# Altium PCB DM2097_R0M0E0.PcbDoc (part 4 of 7) (continued)
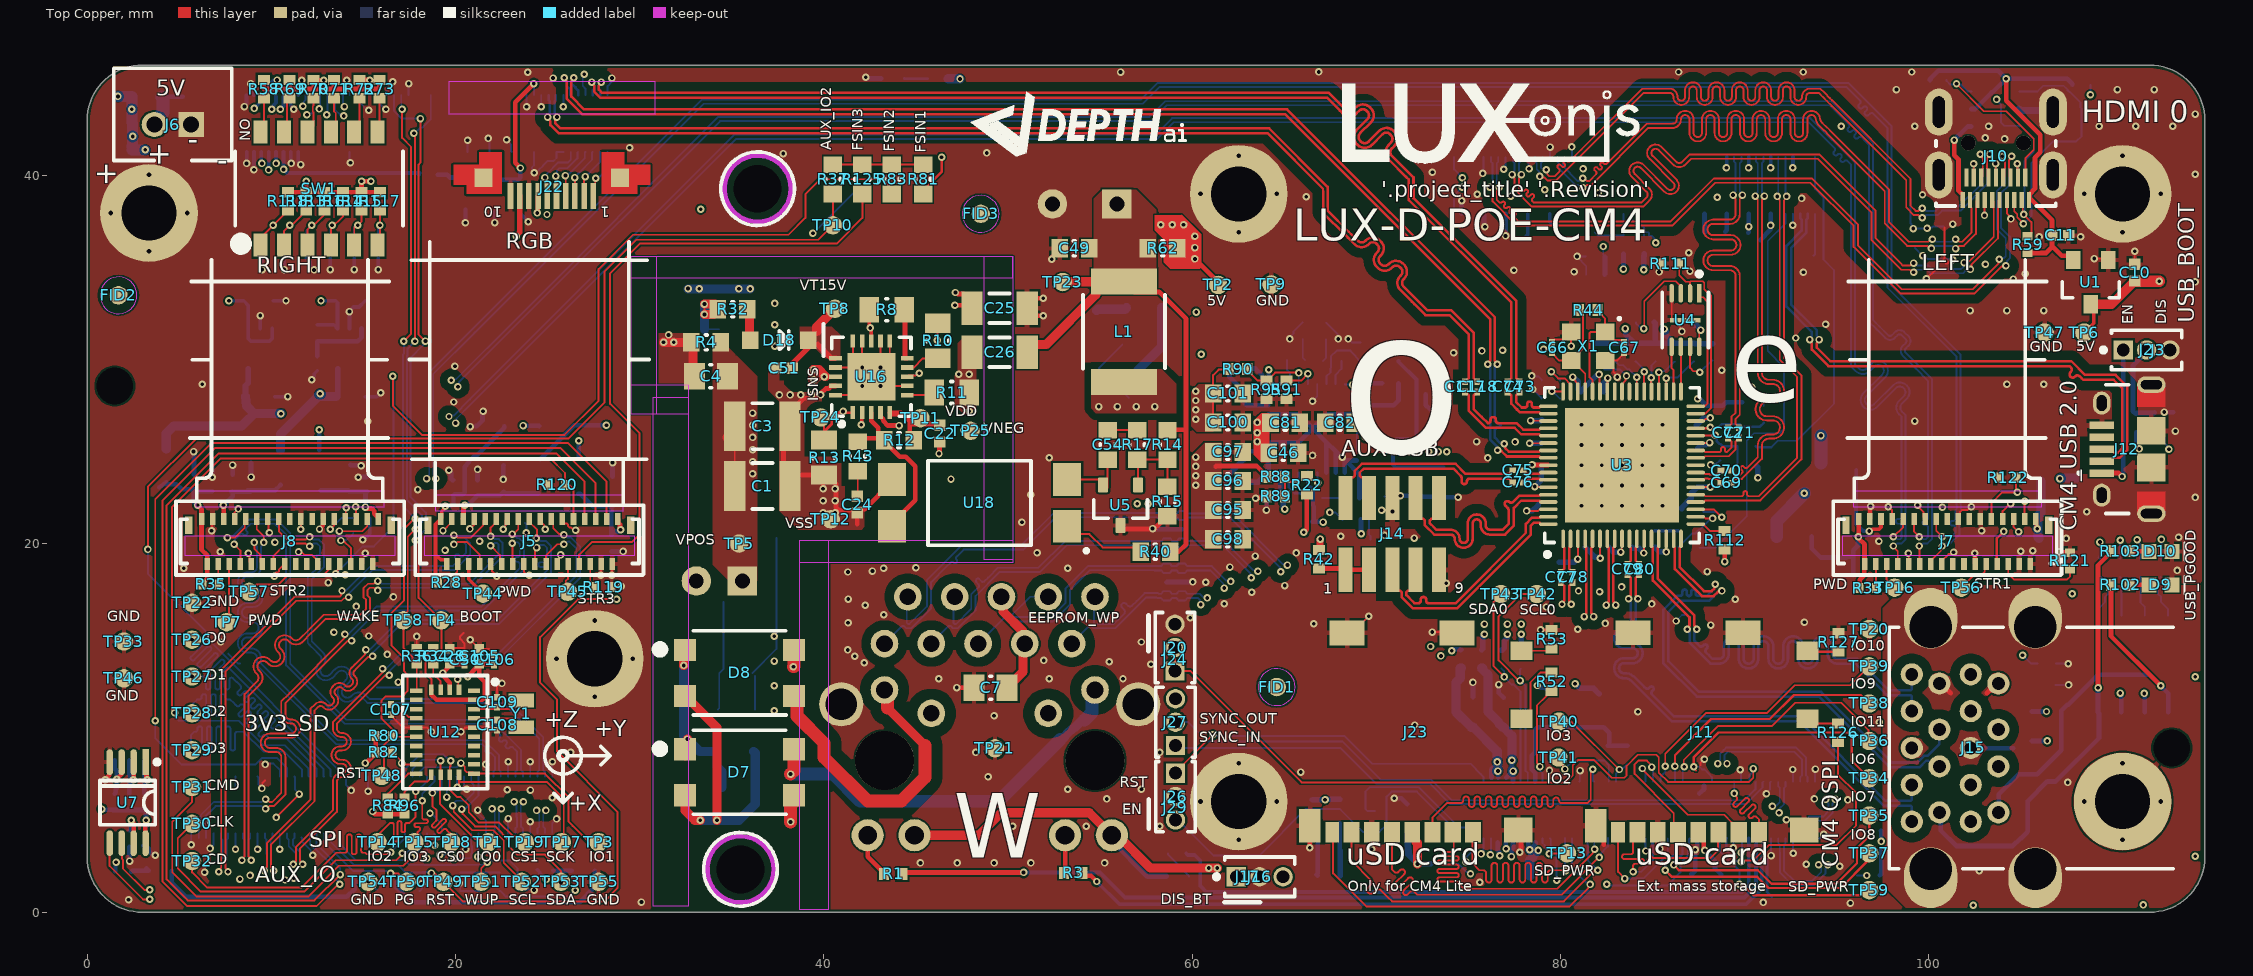
[diagram p0: Top Copper view]
## Nets (pads, with @x,y where several pads share a name; then routed paths per layer and width w, separated by ;. In a path a pad name is that pad's centre, name@x,y a point inside that pad or via, vN(x,y) a via of type N, cw(c..) or ccw(c..) an arc to the next point about the centre after c; other vN are vias at no path point) (continued)
  other v2: 81.151,22.076 82.251,22.076 83.351,22.076 84.451,22.076 85.551,22.076 81.151,23.176 82.251,23.176 83.351,23.176 84.451,23.176 85.551,23.176 81.151,24.276 82.251,24.276 83.351,24.276 84.451,24.276 85.551,24.276 81.151,25.376 82.251,25.376 83.351,25.376 84.451,25.376 85.551,25.376 81.151,26.476 82.251,26.476 83.351,26.476 84.451,26.476 85.551,26.476
  other v3: 62.531,3.933 110.531,3.933 60.456,6.008 64.606,6.008 108.456,6.008 112.606,6.008 62.531,8.083 110.531,8.083 27.56,11.695 25.485,13.77 29.635,13.77 27.56,15.845 3.36,35.895 62.531,36.933 110.531,36.933 1.285,37.97 5.435,37.97 60.456,39.008 64.606,39.008 108.456,39.008 112.606,39.008 3.36,40.045 62.531,41.083 110.531,41.083
GPIO0-27_VREF: C6.2 J9.78 R7.1 R9.1 R54.2 R55.2 | length 9
  Bottom Copper w0.254: J9.78@78.631,7.089 78.631,7.56 78.462,7.729 78.462,8.515 78.631,8.684 78.631,9.897 78.772,10.038 79.775,10.038 80.797,10.038 82.362,10.038 82.65,9.75 82.65,9.106 R54.2@82.58,9.035 R55.2@83.642,9.035
GPIO0/MPGOOD: J9.36
GPIO1/MRST: J9.35 R18.1 | length 67.8
  Signal Layer 1 w0.102: v1(26.5,1.2) 33.669,1.2 34.619,0.251 36.341,0.251 36.866,0.775 81.89,0.775 82.421,1.306 82.421,1.336 82.514,1.43 v1(82.514,1.512)
  Bottom Copper w0.102: R18.1@22.4,1.15 22.45,1.15 22.674,0.926 22.674,0.907 22.734,0.848 26.148,0.848 v1(26.5,1.2) ; v1(82.514,1.512) 82.572,1.454 82.722,1.454 82.726,1.45 85.8,1.45 86.517,2.166 86.517,2.67 86.942,3.095 86.942,3.548 86.985,3.592 86.985,3.963 J9.35@87.031,4.009
GPIO2/SDA1: J9.58 R54.1 TP41.1 | length 4.4
  Top Copper w0.102: TP41.1@79.9,8.125 TP41.1@79.902,8.123 ; TP41.1@79.9,8.4 79.9,8.207 80.25,7.857 v1(80.25,7.775)
  Bottom Copper w0.102: v1(80.25,7.775) 80.25,7.8 80.689,8.239 82.376,8.239 82.631,7.984 J9.58@82.631,7.089
GPIO3/SCL1: J9.56 R55.1 TP40.1 | length 5.7
  Top Copper w0.102: TP40.1@79.925,10.35 80.6,10.35 83.2,7.75 v1(83.209,7.75)
  Bottom Copper w0.102: J9.56@83.031,7.089 83.031,7.55 83.157,7.676 83.217,7.676 v1@83.25,7.709 ; v1(83.209,7.75) v1@83.25,7.709 ; R55.1@83.642,8.034 83.418,7.81 83.351,7.81 v1@83.25,7.709
GPIO4/GPIO_GCLK/CAM1_IO1: J9.54
GPIO5/CAM1_IO0: J9.34
GPIO6: J9.30 TP34.1 | length 14.1
  Top Copper w0.102: v1(87.25,7.9) 87.25,7.818 87.365,7.702
  Top Copper w0.127: v1(87.25,7.9) 87.25,8.425 88.581,9.756 95.602,9.756 95.825,9.533 95.825,8.225 TP34.1@96.775,7.275
  Bottom Copper w0.102: v1(87.25,7.9) 87.55,7.9 87.7,7.75 87.835,7.75 88.083,7.502 88.083,7.486 88.231,7.339 J9.30@88.231,7.089
GPIO7/SPI_CE1_N: J9.37 TP35.1 | length 15.3
  Top Copper w0.127: v1(86.155,2.566) 86.437,2.284 90.724,2.284 91.464,1.544 94.994,1.544 96.11,2.66 96.11,3.475 96.775,4.141 TP35.1@96.775,5.25
  Bottom Copper w0.127: v1(86.155,2.566) 86.155,2.642 86.244,2.731 86.244,2.78 86.631,3.166 J9.37@86.631,4.009
GPIO8/SPI0_CS_1: J1.60 TP19.1 U12.18 | length 10.4
  Top Copper w0.102: v1(19.75,8.226) 19.738,8.214 19.738,7.938 19.695,7.895 U12.18@19.695,7.466 19.695,6.655 20.101,6.249 20.225,6.249 ; 20.225,6.25 20.275,6.25 20.276,6.249 20.725,5.8 20.725,5.425 20.875,5.275 20.875,5.272 21.278,4.87 22.379,4.87 23.108,4.141 23.277,4.141 23.493,3.925 TP19.1@23.775,3.925
  Bottom Copper w0.102: J1.60@17.26,7.368 17.26,7.76 18.081,8.581 18.952,8.581 19.342,8.582 19.698,8.226 v1(19.75,8.226)
GPIO8/SPI_CE0_N: J9.39 TP37.1 | length 14.4
  Top Copper w0.127: v1(85.7,2.275) 86.056,1.919 90.696,1.919 91.301,1.314 95.224,1.314 96.712,2.802 96.712,3.136 TP37.1@96.775,3.2
  Bottom Copper w0.127: v1(85.7,2.275) 85.7,2.636 86.231,3.167 J9.39@86.231,4.009
GPIO9/SPI_MISO: J9.40 TP38.1 | length 13.5
  Top Copper w0.127: v1(86.225,7.925) 86.225,8.525 88.189,10.489 91.376,10.489 92.687,11.8 96.311,11.8 TP38.1@96.775,11.336
  Bottom Copper w0.102: v1(86.225,7.925) 86.225,7.095 J9.40@86.231,7.089
GPIO10/SPI_MOSI: J9.44 TP39.1 | length 14.7
  Top Copper w0.102: v1@85.656,7.925 v1(85.7,7.925) 85.7,8.6 87.925,10.825 91.239,10.825 92.739,12.325 95.75,12.325 TP39.1@96.775,13.35
  Bottom Copper w0.102: J9.44@85.431,7.089 85.431,7.339 85.579,7.486 85.579,7.502 85.7,7.623 v1(85.7,7.925)
GPIO11/SPI_SCLK: J9.38 TP36.1 | length 13.8
  Top Copper w0.102: v1(86.732,7.9) 86.703,7.929 86.703,8.265 88.545,10.107 91.482,10.107 92.75,11.375 95.25,11.375 96.734,9.891 96.734,9.34 TP36.1@96.775,9.298
  Bottom Copper w0.102: J9.38@86.631,7.089 86.646,7.104 86.646,7.739 86.732,7.825 v1(86.732,7.9)
GPIO12/AUD_R: J9.31
GPIO13/AUD_L: J9.28
GPIO14/TXD0: J9.55
GPIO15/RXD0: J9.51
GPIO16: J9.29
GPIO17/GPI0_GEN0: J9.50
GPIO18/GPI0_GEN1: J9.49
GPIO19: J9.26
GPIO58: J21.28 R76.1 R118.2 SW1.1 | length 17.2
  Top Copper w0.102: SW1.1@9.425,36.225 9.425,36.625 R118.2@10.9,38.1
  Signal Layer 1 w0.102: v1(10.1,37.3) 10.7,36.7 14.8,36.7 15.1,37 15.1,37.7 13.5,39.3 13.5,43.306 13.941,43.747 v1(13.973,43.747)
  Bottom Copper w0.102: R76.1@9.5,36.5 9.5,36.7 v1(10.1,37.3) ; J21.28@13.86,44.368 13.899,44.329 13.899,43.903 13.973,43.83 v1(13.973,43.747)
H5V: C11.2 J10.19 Q3.1 R59.2 R60.2 U1.2 U2.5 | length 24.5
  Top Copper w0.254: v1(104.206,45.265) 104.216,45.256 104.216,44.076 106.067,42.224 106.067,41.265 105.772,40.97 105.772,39.282 105.481,38.99 105.481,38.784 106.7,37.565 C11.2@106.7,36.75 106.7,36.125 106.375,35.8 R59.2@105.375,35.8 ; 106.7,36.175 107.225,35.65 107.624,35.65 U1.2@107.857,35.418
  Bottom Copper w0.254: R60.2@100.103,45.223 R60.2@100.07,45.19 100.07,45.24 100.524,45.694 103.778,45.694 v1(104.206,45.265) 103.455,44.514 103.415,44.514 102.519,43.617 U2.5@102.319,43.617 ; v1@104.211,45.26 107.535,45.26 107.805,44.99 Q3.1@107.805,44.935
HDMI_CEC: J13.51 Q3.2 R26.1 | length 31.1
  Signal Layer 1 w0.102: v1(85.185,36.36) 94.71,36.36 98.789,40.439 98.789,40.769 99.981,41.961 100.925,41.961 102.501,43.536 103.587,43.536 105.107,45.056 108.119,45.056 v1(108.788,44.387)
  Bottom Copper w0.102: J13.51@83.831,37.928 83.88,37.879 J13.51@83.88,37.613 ; J13.51@83.888,37.621 83.979,37.531 83.979,37.515 84.148,37.346 84.381,37.346 84.55,37.177 R26.1@84.55,36.75 ; 84.55,37.151 84.583,37.117 84.583,36.974 84.632,36.925 84.775,36.925 84.824,36.876 84.824,36.733 84.968,36.733 85.126,36.574 85.126,36.418 v1(85.185,36.36) ; v1(108.788,44.387) 108.788,44.918 Q3.2@108.805,44.935
HDMI_CLK_N: J10.14 J13.90 | length 43.5
  Top Copper w0.102: v1(76.177,39.374) 76.177,39.302 76.317,39.162 76.317,38.598 77.633,37.282 86.089,37.282 88.422,39.616 93.579,39.616 95.929,37.266 95.929,36.13 98.455,33.605 102.497,33.605 103.424,34.531 103.949,35.055 104.146,35.055 v1(104.197,35.106) ; J10.14@104.451,39.899 104.386,39.964 104.386,40.386 104.365,40.408 104.365,40.846 104.505,40.986 v1(104.505,41.058)
  Bottom Copper w0.102: v1(76.177,39.374) 76.177,39.446 76.317,39.586 76.317,40.672 76.231,40.758 J13.90@76.231,41.008 ; v1(104.197,35.106) 104.248,35.157 104.248,35.355 104.415,35.522 104.415,35.794 104.412,35.797 104.412,36.688 103.923,37.176 103.923,39.044 104.365,39.486 104.365,40.846 104.505,40.986 v1(104.505,41.058)
HDMI_CLK_P: J10.12 J13.88 | length 43.5
  Top Copper w0.102: v1(76.685,39.374) 76.685,39.302 76.545,39.162 76.545,38.692 76.581,38.656 76.682,38.555 ccw(c76.754,38.627) 76.826,38.555 ; 76.826,38.555 cw(c76.898,38.483) 76.97,38.555 cw(c76.898,38.483) 76.97,38.411 76.966,38.407 ccw(c77.039,38.335) 76.966,38.263 ccw(c77.039,38.335) 77.111,38.263 77.114,38.266 cw(c77.186,38.194) 77.258,38.266 cw(c77.186,38.194) 77.258,38.122 77.255,38.119 ccw(c77.327,38.046) 77.255,37.974 ccw(c77.327,38.046) 77.399,37.974 77.416,37.991 cw(c77.488,37.919) 77.56,37.991 cw(c77.488,37.919) 77.56,37.847 77.547,37.834 ccw(c77.619,37.762) 77.547,37.69 77.692,37.545 77.728,37.509 85.994,37.509 88.328,39.843 93.673,39.843 93.74,39.776 94.778,38.739 96.157,37.36 96.157,36.224 98.549,33.832 102.403,33.832 103.263,34.692 ; 103.263,34.693 103.787,35.217 103.787,35.414 v1(103.838,35.465) ; v1(103.997,41.058) 103.997,40.986 104.137,40.846 104.137,40.408 104.116,40.386 104.116,39.964 J10.12@104.051,39.899
  Bottom Copper w0.102: J13.88@76.631,41.008 76.631,40.758 76.546,40.672 76.546,39.586 76.685,39.446 v1(76.685,39.374) ; v1(103.838,35.465) 103.889,35.516 104.087,35.516 104.188,35.616 104.188,35.7 104.184,35.703 104.184,36.594 103.696,37.082 103.696,39.138 104.137,39.58 104.137,40.846 103.997,40.986 v1(103.997,41.058)
HDMI_D0_N: J10.11 J13.84 | length 43.7
  Top Copper w0.102: v1(77.377,40.06) 77.377,39.988 77.517,39.848 77.517,39.252 78.452,38.318 84.504,38.318 84.72,38.533 84.836,38.649 ccw(c84.513,38.973) 84.836,39.297 84.036,40.096 cw(c84.199,40.258) 84.037,40.42 ; 84.037,40.42 cw(c84.199,40.258) 84.362,40.42 ; 84.362,40.419 85.655,39.126 ; 85.007,41.391 ccw(c85.17,41.229) 85.007,41.067 86.336,39.739 86.336,39.735 cw(c85.979,39.449) 86.302,39.126 cw(c85.979,39.449) 85.655,39.126 ; 85.008,41.391 cw(c85.17,41.229) 85.333,41.39 86.131,40.592 ccw(c86.455,40.915) 86.779,40.592 87.102,40.915 88.164,40.915 93.981,40.915 96.892,38.005 96.892,36.506 98.391,35.007 98.512,34.886 98.969,34.886 99.109,34.746 v1(99.181,34.746) ; v1(102.267,34.903) 102.322,34.958 102.322,35.148 103.766,36.591 103.766,37.677 ; 103.765,37.677 103.765,38.241 103.786,38.262 103.786,38.609 J10.11@103.851,38.674
  Bottom Copper w0.102: v1(77.377,40.06) 77.377,40.132 77.517,40.272 77.517,40.672 77.431,40.758 J13.84@77.431,41.008 ; v1(99.181,34.746) 99.253,34.746 99.393,34.886 99.905,34.886 100.091,34.7 101.867,34.7 102.019,34.852 102.216,34.852 v1(102.267,34.903)
HDMI_D0_P: J10.9 J13.82 | length 43.7
  Top Copper w0.102: v1(77.885,40.06) 77.885,39.988 77.745,39.848 77.745,39.346 77.781,39.31 77.817,39.274 77.903,39.189 ccw(c77.975,39.261) 78.047,39.189 78.073,39.215 cw(c78.146,39.143) 78.218,39.215 cw(c78.146,39.143) 78.218,39.071 78.187,39.04 ccw(c78.259,38.968) 78.187,38.896 ccw(c78.259,38.968) 78.331,38.896 78.403,38.968 cw(c78.475,38.896) 78.547,38.968 cw(c78.475,38.896) 78.547,38.824 78.48,38.756 ccw(c78.552,38.684) 78.48,38.612 78.546,38.545 78.702,38.545 84.41,38.545 84.559,38.694 84.675,38.81 ; 84.676,38.811 ccw(c84.513,38.973) 84.675,39.136 83.877,39.934 cw(c84.199,40.258) 83.876,40.581 cw(c84.199,40.258) 84.485,40.614 84.489,40.614 85.817,39.286 ccw(c85.979,39.449) 86.141,39.286 ; 86.142,39.287 ccw(c85.979,39.449) 86.141,39.612 84.848,40.905 cw(c85.17,41.229) 84.847,41.552 cw(c85.17,41.229) 85.456,41.585 85.46,41.585 86.292,40.753 ccw(c86.455,40.915) 86.618,40.753 87.008,41.143 88.057,41.143 94.075,41.143 94.142,41.076 95.616,39.602 97.12,38.099 97.12,36.6 98.485,35.235 ; 98.486,35.235 98.606,35.114 98.969,35.114 99.109,35.254 v1(99.181,35.254) ; v1(101.925,35.279) 101.974,35.328 102.179,35.328 103.537,36.686 103.537,37.772 103.537,38.241 103.516,38.262 103.516,38.609 J10.9@103.451,38.674
  Bottom Copper w0.102: J13.82@77.831,41.008 77.831,40.758 77.746,40.672 77.746,40.272 77.885,40.132 v1(77.885,40.06) ; v1(99.181,35.254) 99.253,35.254 99.393,35.114 100,35.114 100.186,34.929 101.772,34.929 101.874,35.03 101.874,35.227 v1(101.925,35.279)
HDMI_D1_N: J10.8 J13.78 | length 43
  Top Copper w0.102: v1(78.882,39.954) 78.933,39.904 79.131,39.904 79.299,39.736 79.784,39.736 84.54,44.492 85.131,44.492 85.932,44.492 cw(c85.932,44.288) 86.136,44.288 86.136,44.271 ccw(c86.567,44.271) 86.999,44.271 86.999,44.634 cw(c87.203,44.634) 87.407,44.634 87.407,44.271 ccw(c87.838,44.271) 88.27,44.271 88.27,44.634 cw(c88.474,44.634) 88.678,44.634 88.678,44.271 ccw(c89.109,44.271) 89.541,44.271 89.541,44.634 cw(c89.745,44.634) 89.949,44.634 89.949,44.271 ccw(c90.38,44.271) 90.812,44.271 90.812,44.634 cw(c91.016,44.634) 91.22,44.634 91.22,44.271 ccw(c91.651,44.271) 92.083,44.271 92.083,44.634 cw(c92.287,44.634) 92.491,44.634 92.491,44.271 ccw(c92.922,44.271) 93.354,44.271 93.354,44.288 cw(c93.558,44.288) 93.558,44.492 94.031,44.492 94.263,44.259 ; 94.264,44.259 94.48,44.044 ; 94.48,44.042 94.734,43.789 98.786,39.737 98.786,38.271 99.201,37.856 99.44,37.856 99.58,37.716 v1(99.652,37.716) ; J10.8@103.251,39.899 103.186,39.964 103.186,40.386 103.165,40.408 103.165,40.948 103.305,41.088 v1(103.305,41.159)
  Bottom Copper w0.102: J13.78@78.631,41.008 78.631,40.758 78.717,40.672 78.717,40.342 78.831,40.227 78.831,40.005 v1(78.882,39.954) ; v1(99.652,37.716) 99.724,37.716 99.864,37.857 100.489,37.857 100.728,38.096 101.731,38.096 103.165,39.53 103.165,40.948 103.305,41.088 v1(103.305,41.159)
HDMI_D1_P: J10.6 J13.76 | length 43
  Top Copper w0.102: v1(79.241,40.314) 79.292,40.263 79.292,40.065 79.393,39.963 79.69,39.963 79.902,40.176 79.938,40.212 ccw(c79.866,40.284) 79.938,40.356 79.87,40.424 cw(c79.942,40.496) 79.87,40.568 cw(c79.942,40.496) 80.014,40.568 80.086,40.496 ccw(c80.158,40.568) 80.23,40.496 ccw(c80.158,40.568) 80.23,40.64 80.191,40.68 cw(c80.263,40.752) 80.191,40.824 cw(c80.263,40.752) 80.335,40.824 80.371,40.789 ccw(c80.443,40.861) 80.515,40.789 81.149,41.422 84.446,44.719 85.131,44.719 85.932,44.719 cw(c85.932,44.288) 86.363,44.288 86.363,44.271 ccw(c86.567,44.271) 86.771,44.271 86.771,44.634 cw(c87.203,44.634) 87.634,44.634 87.634,44.271 ccw(c87.838,44.271) 88.042,44.271 88.042,44.634 cw(c88.474,44.634) 88.905,44.634 88.905,44.271 ccw(c89.109,44.271) 89.313,44.271 89.313,44.634 cw(c89.745,44.634) 90.176,44.634 90.176,44.271 ccw(c90.38,44.271) 90.584,44.271 90.584,44.634 cw(c91.016,44.634) 91.447,44.634 91.447,44.271 ccw(c91.651,44.271) 91.855,44.271 91.855,44.634 cw(c92.287,44.634) 92.718,44.634 92.718,44.271 ccw(c92.922,44.271) 93.126,44.271 93.126,44.288 cw(c93.558,44.288) 93.558,44.719 94.125,44.719 94.358,44.487 ; 94.359,44.487 94.641,44.204 ; 94.642,44.204 94.76,44.087 99.015,39.832 99.015,38.366 99.296,38.085 99.44,38.085 99.58,38.224 v1(99.652,38.224) ; v1(102.797,41.159) 102.797,41.088 102.937,40.948 102.937,40.408 102.916,40.386 102.916,39.964 J10.6@102.851,39.899
  Bottom Copper w0.102: J13.76@79.031,41.008 79.031,40.758 78.946,40.672 78.946,40.436 79.01,40.372 79.183,40.372 v1(79.241,40.314) ; v1(99.652,38.224) 99.724,38.224 99.864,38.084 100.254,38.084 100.256,38.086 100.394,38.086 100.632,38.324 101.637,38.324 102.937,39.624 102.937,40.948 102.797,41.088 v1(102.797,41.159)
HDMI_D2_N: J10.5 J13.72 | length 43.2
  Top Copper w0.102: v1(81.223,39.348) 81.294,39.348 81.434,39.489 81.674,39.489 84.775,42.59 85.925,42.59 86.09,42.59 ccw(c86.09,43.047) 86.547,43.047 86.547,43.06 cw(c86.777,43.06) 86.777,43.29 cw(c86.777,43.06) 87.006,43.06 87.006,42.321 ccw(c87.463,42.321) 87.463,41.864 ccw(c87.463,42.321) 87.92,42.321 87.92,43.06 cw(c88.15,43.06) 88.15,43.29 cw(c88.15,43.06) 88.379,43.06 88.379,42.321 ccw(c88.836,42.321) 88.836,41.864 ccw(c88.836,42.321) 89.293,42.321 89.293,43.06 cw(c89.523,43.06) 89.523,43.29 cw(c89.523,43.06) 89.752,43.06 89.752,42.321 ccw(c90.209,42.321) 90.209,41.864 ccw(c90.209,42.321) 90.666,42.321 90.666,43.06 cw(c90.896,43.06) 90.896,43.29 cw(c90.896,43.06) 91.125,43.06 91.125,42.321 ccw(c91.582,42.321) 91.582,41.864 ccw(c91.582,42.321) 92.039,42.321 92.039,43.06 cw(c92.269,43.06) 92.269,43.29 cw(c92.269,43.06) 92.498,43.06 92.498,42.321 ccw(c92.955,42.321) 92.955,41.864 ccw(c92.955,42.321) 93.412,42.321 93.412,43.06 cw(c93.642,43.06) 93.642,43.29 cw(c93.642,43.06) 93.871,43.061 ccw(c93.985,43.06) 93.874,43.035 ccw(c94.556,43.193) 94.079,42.681 94.313,42.463 cw(c93.991,42.118) 94.324,42.452 94.605,42.171 ; 94.605,42.171 94.85,41.926 95.929,40.847 97.616,39.16 97.616,37.401 98.834,36.183 99.937,36.183 100.075,36.045 v1(100.149,36.045) ; v1(101.461,36.041) 101.533,36.041 101.673,36.181 101.911,36.181 102.566,36.835 102.566,37.51 ; 102.565,37.63 102.565,38.241 102.586,38.262 102.586,38.609 J10.5@102.651,38.674 ; 102.565,37.51 102.565,37.63
  Bottom Copper w0.102: J13.72@79.831,41.008 79.831,40.758 79.917,40.672 79.917,40.403 80.832,39.488 81.011,39.488 81.15,39.348 v1(81.223,39.348) ; v1(100.149,36.045) 100.222,36.045 100.361,36.183 100.837,36.183 100.839,36.181 101.249,36.181 101.389,36.041 v1(101.461,36.041)
HDMI_D2_P: J10.3 J13.70 | length 43.2
  Top Copper w0.102: v1(81.223,39.856) 81.294,39.856 81.434,39.716 81.58,39.716 81.611,39.748 81.936,40.073 ccw(c81.864,40.145) 81.936,40.217 81.868,40.285 cw(c81.94,40.357) 81.868,40.429 cw(c81.94,40.357) 82.012,40.429 82.084,40.357 ccw(c82.156,40.429) 82.228,40.357 ccw(c82.156,40.429) 82.228,40.501 82.19,40.54 cw(c82.262,40.612) 82.19,40.684 cw(c82.262,40.612) 82.334,40.684 82.369,40.65 ccw(c82.441,40.722) 82.513,40.65 82.944,41.081 84.681,42.817 85.925,42.817 86.09,42.817 ccw(c86.09,43.047) 86.32,43.047 86.32,43.06 cw(c86.777,43.06) 86.777,43.517 cw(c86.777,43.06) 87.234,43.06 87.234,42.321 ccw(c87.463,42.321) 87.463,42.091 ccw(c87.463,42.321) 87.693,42.321 87.693,43.06 cw(c88.15,43.06) 88.15,43.517 cw(c88.15,43.06) 88.607,43.06 88.607,42.321 ccw(c88.836,42.321) 88.836,42.091 ccw(c88.836,42.321) 89.066,42.321 89.066,43.06 cw(c89.523,43.06) 89.523,43.517 cw(c89.523,43.06) 89.98,43.06 89.98,42.321 ccw(c90.209,42.321) 90.209,42.091 ccw(c90.209,42.321) 90.439,42.321 90.439,43.06 cw(c90.896,43.06) 90.896,43.517 cw(c90.896,43.06) 91.353,43.06 91.353,42.321 ccw(c91.582,42.321) 91.582,42.091 ccw(c91.582,42.321) 91.812,42.321 91.812,43.06 cw(c92.269,43.06) 92.269,43.517 cw(c92.269,43.06) 92.726,43.06 92.726,42.321 ccw(c92.955,42.321) 92.955,42.091 ccw(c92.955,42.321) 93.185,42.321 93.185,43.06 cw(c93.642,43.06) 93.642,43.517 cw(c93.642,43.06) 94.099,43.075 ccw(c94.556,43.193) 94.234,42.847 94.467,42.63 cw(c93.991,42.118) 94.485,42.613 ; 94.486,42.612 94.766,42.332 94.85,42.248 96.251,40.847 97.844,39.254 97.844,37.495 98.849,36.49 98.851,36.49 98.929,36.412 99.991,36.412 100.129,36.55 v1(100.203,36.55) ; v1(101.461,36.549) 101.533,36.549 101.673,36.41 101.817,36.41 102.337,36.93 102.337,38.241 102.316,38.262 102.316,38.609 J10.3@102.251,38.674
  Bottom Copper w0.102: J13.70@80.231,41.008 80.231,40.758 80.146,40.672 80.146,40.498 80.927,39.717 81.011,39.717 81.15,39.856 v1(81.223,39.856) ; v1(100.203,36.55) 100.277,36.55 100.415,36.411 100.932,36.411 100.934,36.41 101.249,36.41 101.389,36.549 v1(101.461,36.549)
HDMI_HPD: J10.1 Q4.1 R61.2 U2.6 | length 28.6
  Top Copper w0.254: v1(101.396,41.928) 101.39,41.923 101.39,41.109 101.619,40.88 101.619,39.192 101.851,38.96 J10.1@101.851,38.674
  Signal Layer 1 w0.254: v1(82.332,36.151) 82.922,36.151 83.748,35.325 94.389,35.325 99.27,40.207 99.27,40.667 99.572,40.97 100.247,41.645 101.071,41.645 101.355,41.928 v1(101.396,41.928)
  Bottom Copper w0.102: v1(82.332,36.151) 82.332,35.701 Q4.1@82.408,35.625
  Bottom Copper w0.254: R61.2@82.408,34.624 82.422,34.638 Q4.1@82.422,35.586 ; v1(101.396,41.928) 101.396,41.945 102.119,42.667 U2.6@102.319,42.667 102.321,42.67 U2.6@102.321,42.667
HDMI_HPD_N_1V8: J13.53 Q4.3 R27.1 | length 2.8
  Bottom Copper w0.102: Q4.3@81.883,36.925 81.883,36.899 82.032,36.75 R27.1@83.432,36.75 83.431,36.751 J13.53@83.431,37.928
HDMI_SCL: J10.17 J13.100 R59.1 U2.3 | length 43.4
  Top Copper w0.102: J10.17@105.051,38.674 105.108,38.617 105.108,37.947 v1(105.165,37.89) ; v1@105.2,37.88 105.2,37.855 105.579,37.476 105.579,36.874 105.405,36.7 R59.1@105.375,36.7 ; R59.1@105.35,36.55 105.4,36.55 R59.1@105.462,36.612
  Signal Layer 1 w0.102: v1(74.684,39.885) 75.898,41.099 75.982,41.183 95.833,41.183 99.839,45.189 100.126,45.189 100.279,45.341 102.882,45.341 103.685,44.538 v1(103.685,44.137)
  Bottom Copper w0.102: J13.100@74.231,41.008 74.231,40.337 v1(74.684,39.885) ; v1(103.685,44.137) 103.685,44.112 103.925,43.873 103.925,42.888 104.106,42.707 104.879,42.707 U2.3@104.919,42.667 ; U2.3@105.026,42.683 105.708,42 105.708,41.286 105.197,40.775 105.197,37.922 v1(105.165,37.89)
HDMI_SDA: J10.18 J13.99 R60.1 U2.4 | length 40.5
  Top Copper w0.102: v1(101.512,44.985) 101.512,44.983 103,43.495 104.214,43.495 105.708,42 105.708,41.392 105.251,40.935 J10.18@105.251,39.899
  Signal Layer 1 w0.102: v1(74.675,39.37) 74.675,39.373 75.039,39.738 75.039,39.879 76.14,40.98 95.918,40.98 99.923,44.985 v1(101.512,44.985)
  Bottom Copper w0.102: J13.99@74.231,37.928 74.231,38.926 v1(74.675,39.37) ; R60.1@100.97,45.19 100.97,45.14 101.172,44.938 101.748,44.938 ; v1(101.512,44.985) 101.559,44.938 101.748,44.938 ; U2.4@102.319,44.567 102.119,44.567 101.748,44.938
HSO: R8.2 U16.10 | length 2.8
  Top Copper w0.254: R8.2@44.363,32.717 44.417,32.663 44.417,30.081 44.419,30.079 U16.10@44.535,30.079
I2C1_SCL: J1.35 J5.7 | length 60.1
  Top Copper w0.102: v1(13.748,2.045) 12.346,0.643 5.457,0.643 4.318,1.782 4.318,5.997 4.318,22.093 7.143,24.917 25.483,24.917 27.012,23.388 J5.7@27.012,21.366
  Bottom Copper w0.102: J1.35@12.46,4.288 12.46,3.687 12.821,3.326 13.748,2.399 v1(13.748,2.045)
I2C1_SDA: J1.33 J5.5 | length 62.3
  Top Copper w0.102: v1(13.722,1.517) 13.64,1.517 13.532,1.409 12.456,0.334 5.445,0.334 4.091,1.687 4.091,6.091 4.091,22.343 6.96,25.212 25.688,25.212 27.612,23.288 J5.5@27.612,21.366
  Bottom Copper w0.102: J1.33@12.06,4.288 12.099,4.249 12.099,3.698 12.342,3.456 12.397,3.456 13.3,2.553 13.3,1.986 13.722,1.563 v1(13.722,1.517)
I2C2_SCL: J1.77 J7.7 J8.7 | length 148.6
  Top Copper w0.102: J8.7@14.012,21.366 14.042,21.395 14.042,21.933 v1(14.071,21.962) ; J7.7@104.012,21.366 104.012,21.784 104.404,22.175 v1(104.45,22.175)
  Signal Layer 1 w0.102: v1(14.071,21.962) 14.059,21.974 14.059,29.801 20.938,36.68 20.938,39.601 22.309,40.972 22.509,40.972 22.514,40.976 25.986,40.976 28.36,43.35 64.947,43.35 67.677,40.62 67.677,36.79 70.697,33.771 96.911,33.771 104.4,26.282 104.4,22.225 v1(104.45,22.175) ; v1@14.1,21.962 14.1,21.896 14.365,21.631 14.365,19.865 14.037,19.537 13.748,19.537 11.942,17.732 11.942,13.26 13.097,12.106 13.097,6.406 13.403,6.1 13.413,6.1 15.288,4.225 18.916,4.225 19.917,3.224 19.917,2.941 v1(19.925,2.933)
  Bottom Copper w0.102: v1(19.925,2.933) 20.8,2.933 20.86,2.992 20.86,3.163 20.906,3.208 20.906,3.572 20.86,3.618 J1.77@20.86,4.288
I2C2_SDA: J1.79 J7.5 J8.5 | length 149.2
  Top Copper w0.102: v1(14.575,22.025) 14.6,22 14.6,21.378 J8.5@14.612,21.366 ; J7.5@104.612,21.366 104.6,21.354 104.6,20.941 v1(104.882,20.658)
  Signal Layer 1 w0.102: v1(21.225,3.025) 20.377,3.025 20.12,3.281 20.12,3.408 19.1,4.428 15.372,4.428 13.307,6.493 13.307,12.193 12.153,13.347 12.153,17.653 13.8,19.3 14.2,19.3 14.568,19.668 14.568,21.402 14.606,21.44 14.606,21.994 v1(14.575,22.025) 14.3,22.3 14.3,29.675 21.227,36.602 21.227,39.402 22.598,40.773 26.248,40.773 28.5,43.025 64.813,43.025 67.352,40.486 67.352,36.782 70.612,33.522 96.808,33.522 104.073,26.257 104.073,21.467 v1(104.882,20.658)
  Bottom Copper w0.102: v1(21.225,3.025) 21.252,3.052 21.252,3.475 ; 21.253,3.476 21.253,4.281 J1.79@21.26,4.288
I2C3_SCL: J1.78 TP52.1 U7.6 | length 33.2
  Top Copper w0.102: U7.6@1.875,3.75 1.885,3.74 1.885,2.905 1.948,2.841 1.948,2.368 3.105,1.212 3.388,1.212 v1(3.402,1.226) ; v1(19.861,5.792) 19.907,5.746 19.907,5.468 20.92,4.455 22.065,4.455 22.625,3.894 22.625,2.675 TP52.1@23.6,1.7 ; TP52.1@23.6,1.65 23.75,1.65 TP52.1@23.8,1.6 ; TP52.1@23.715,1.535 23.735,1.535 TP52.1@23.8,1.6 ; v1(23.866,1.666) TP52.1@23.8,1.6
  Signal Layer 1 w0.102: v1(3.402,1.226) 3.485,1.226 3.577,1.134 3.612,1.134 3.614,1.132 23.332,1.132 v1(23.866,1.666)
  Bottom Copper w0.102: v1(19.861,5.792) 19.861,5.861 20.05,6.05 20.559,6.05 20.992,6.482 20.992,6.931 20.86,7.063 J1.78@20.86,7.368
I2C3_SDA: J1.80 TP53.1 U7.5 | length 36.9
  Top Copper w0.102: U7.5@1.225,3.75 1.225,2.868 1.218,2.861 1.218,2.566 1.225,2.559 1.225,2.51 3.035,0.7 v1(3.4,0.7) ; v1(20.35,5.6) 20.391,5.559 20.391,5.341 21.07,4.662 22.15,4.662 22.925,3.887 22.925,3.55 23.35,3.125 24.855,3.125 25.73,2.25 25.73,1.655 TP53.1@25.725,1.65 25.73,1.645 v1(25.73,1.616)
  Signal Layer 1 w0.102: v1(3.4,0.7) 3.473,0.7 3.612,0.838 24.938,0.838 25.716,1.616 v1(25.73,1.616)
  Bottom Copper w0.102: v1(20.35,5.6) 20.408,5.658 20.553,5.658 20.562,5.667 20.58,5.667 21.26,6.347 J1.80@21.26,7.368
ISNS: R13.1 TP24.1 U16.1 U16.8 | length 9.7
  Top Copper w0.102: TP24.1@39.845,26.868 40.009,26.704 40.009,26.115 40.026,26.115 40.015,26.104 R13.1@40.015,25.64 ; U16.8@44.535,29.079 44.609,29.153 44.986,29.153 45.098,29.265 v1(45.18,29.265)
  Top Copper w0.15: R13.1@40.015,25.64 R13.1@40.291,25.916 ; R13.1@40.026,26.115 40.433,26.522 40.433,26.736 40.84,27.143 41.004,27.143 v1(41.053,27.192) ; v1@41.04,27.129 U16.1@41.585,27.129
  PWR w0.102: v1(41.053,27.192) 41.135,27.192 41.338,27.395 43.535,27.395 45.142,29.002 45.142,29.227 v1(45.18,29.265)
LX1: C45.2 L2.1 U10.26 | length 3.3
  Bottom Copper w0.254: U10.26@68.947,27.529 70.904,27.529 L2.1@70.908,27.524 70.941,27.524 71.214,27.798 C45.2@71.214,28.727
LX2: C93.2 L5.1 U10.10 | length 3.3
  Bottom Copper w0.254: L5.1@62.831,24.904 62.956,25.029 U10.10@64.147,25.029
  Bottom Copper w0.3: C93.2@61.873,23.35 62.033,23.51 62.033,23.806 62.831,24.604 L5.1@62.831,24.904
LX3: C99.2 L6.1 U10.15 | length 3.6
  Bottom Copper w0.254: C99.2@61.847,29.522 62.03,29.339 62.03,29.068 62.831,28.267 L6.1@62.831,27.667 62.97,27.529 U10.15@64.147,27.529
MIPI_RX2_C_N: J1.95 J7.20 | length 140.8
  Top Copper w0.102: J7.20@100.12,18.916 100.12,19.091 100.672,19.643 100.672,19.829 v1(100.73,19.887)
  Signal Layer 1 w0.102: v1(18.432,23.55) 18.432,23.468 18.558,23.342 18.558,21.764 18.558,19.333 21.312,16.579 24.532,13.359 24.532,11.362 24.532,5.738 24.406,5.612 v1(24.406,5.53)
  Bottom Copper w0.102: v1(18.432,23.55) 18.432,23.619 18.575,23.762 18.575,29.319 20.821,31.565 33.381,44.125 57.221,44.125 58.127,45.032 95.632,45.032 97.582,43.082 97.854,42.81 97.984,42.68 97.984,34.016 101.739,30.261 101.739,22.197 101.746,22.19 101.746,21.805 101.684,21.743 101.684,20.536 101.178,20.03 100.942,20.03 100.799,19.887 v1(100.73,19.887) ; v1(24.406,5.53) 24.406,5.461 24.549,5.318 24.549,4.637 24.46,4.548 J1.95@24.46,4.288